# Altium PCB 第十三届电磁PCB.PcbDoc (part 1 of 2)
Units mil, origin at the board's own origin, x right, y up, seen from the top; angles counter-clockwise.
Board outline 3925 x 2095 mil, 2 copper layers (Top Layer, Bottom Layer); 144 components, 101 nets, 511 pads, 324 vias.
Unrouted connection lines stored in the file: 143.
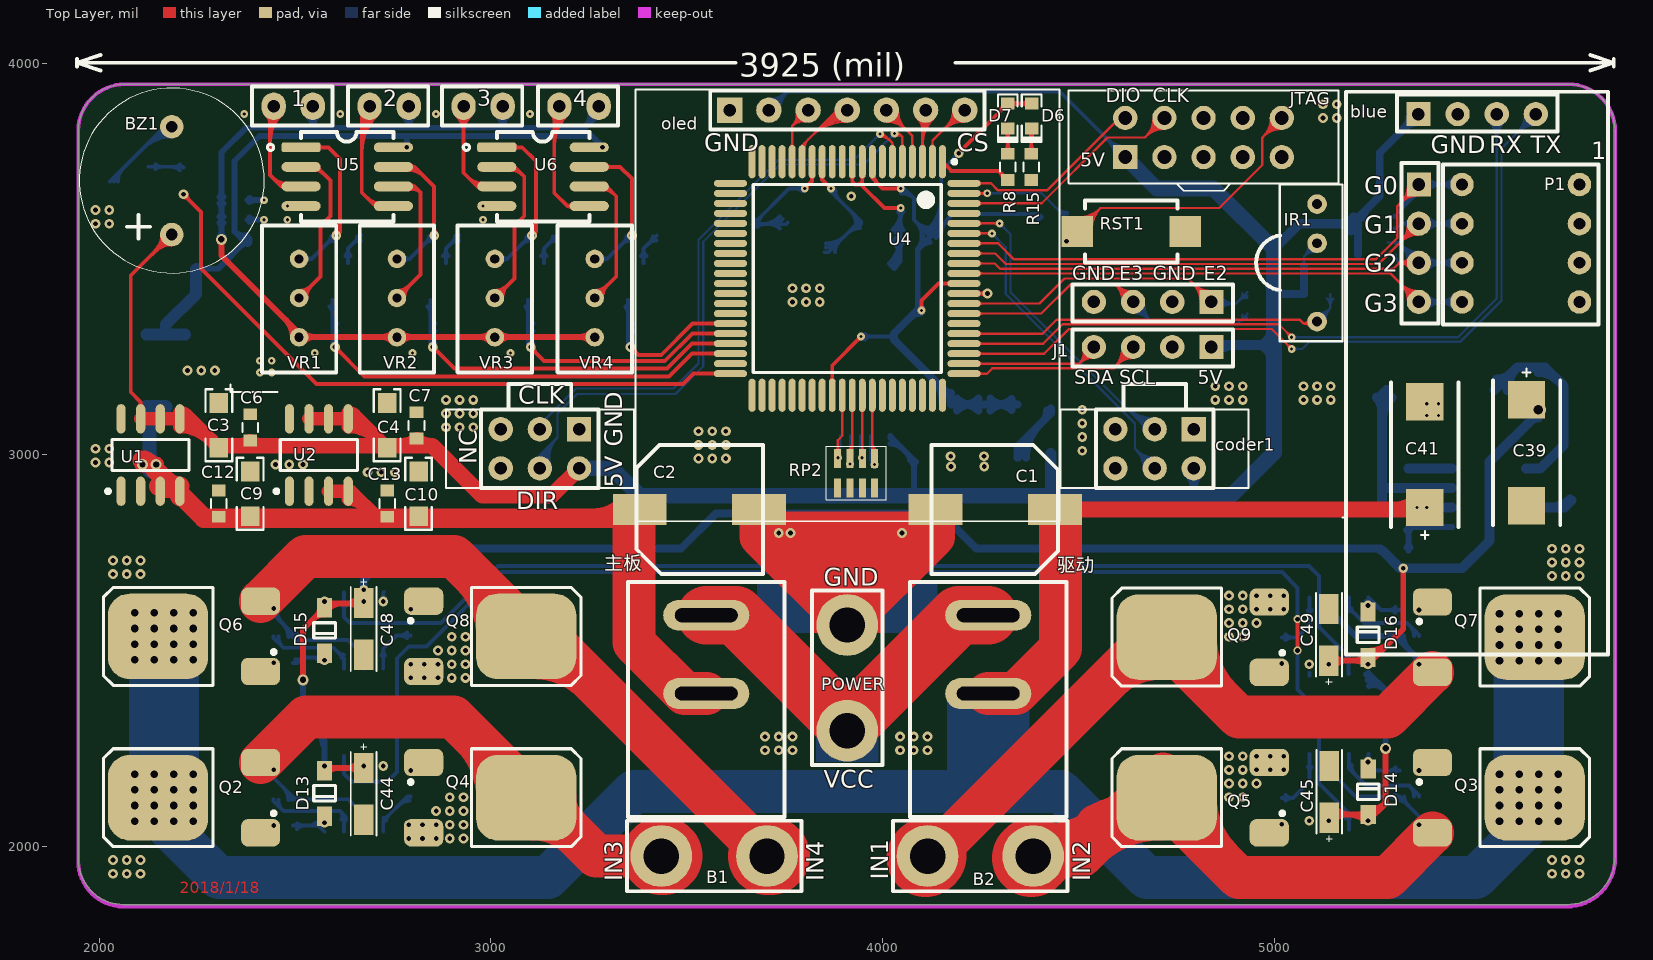
[diagram p0: Top Layer view]
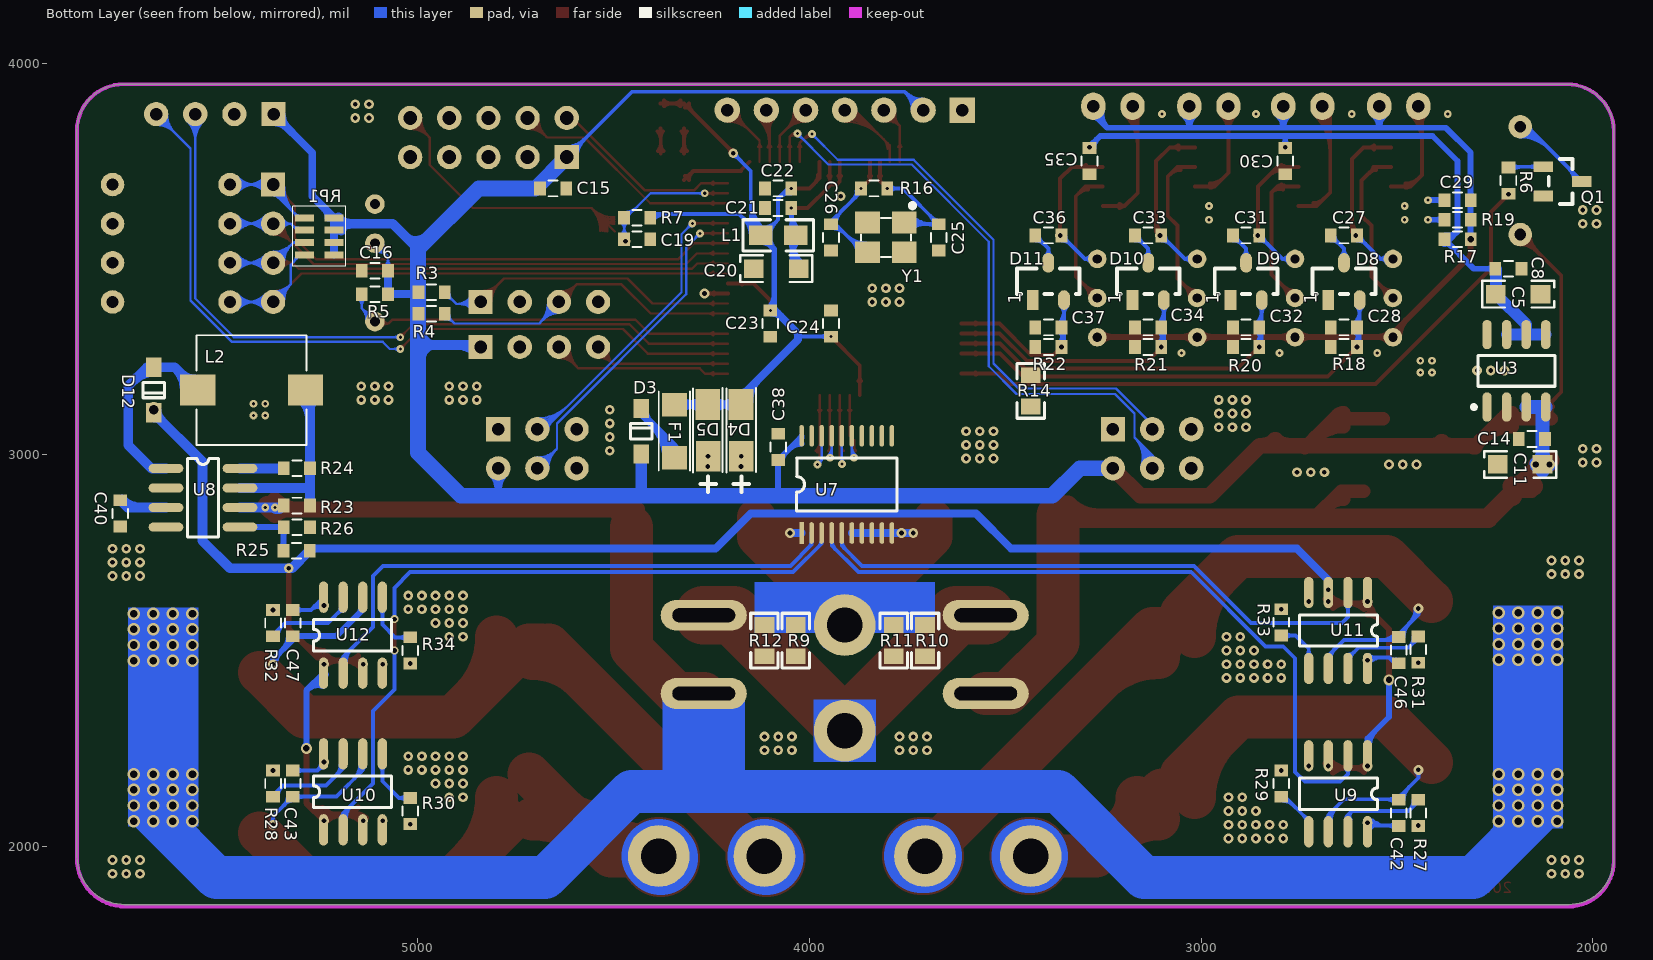
[diagram p1: Bottom Layer view, seen from below]

## Layer stack, top to bottom
Top Solder: solder mask 0.4, Solder Resist, Dk 3.5
Top Layer: signal copper 1.4
Dielectric1: dielectric 12.6, FR-4, Dk 4.8
Bottom Layer: signal copper 1.4
Bottom Solder: solder mask 0.4, Solder Resist, Dk 3.5

## Board outline
1946,1966.56 ccw(c2061.56,1966.56) 2061.56,1851 5748.38,1851 ccw(c5748.38,1973.62) 5871,1973.62 5871,3827.72 ccw(c5752.72,3827.72) 5752.72,3946 2064.76,3946 ccw(c2064.76,3827.24) 1946,3827.24

## Design rules (kind name [scope] priority, off if disabled: settings)
Clearance Clearance_P_Polygon [(InNamedPolygon('Top Layer-PGND') OR InNamedPolygon('Bottom Layer-PGND'))] p1: gap=15
Clearance Clearance_M_Polygon [InPolygon] p2: gap=8
Clearance [All] p3: gap=6
ComponentClearance [All] p1: gap=0 collisioncheckmode=3 verticalgap=0 showdistances=FALSE
PlaneConnect [All] p1: planeconnectstyle=Direct reliefexpansion=20 reliefentries=4 reliefconductorwidth=10 reliefairgap=10
PolygonConnect [All] p1: connectstyle=Direct reliefconductorwidth=10 reliefentries=4 polygonreliefangle="90 Angle" airgapwidth=10
RoutingVias [All] p1: holewidth=16 width=28 viastyle="Through Hole" minholewidth=12 minwidth=20 maxholewidth=28 maxwidth=35
SilkToSolderMaskClearance SilkscreenOverComponentPads [IsPad] p1: minsilkscreentomaskgap=10 clearancetoexposedcopper=TRUE
SolderMaskExpansion [All] p1: expansion=4
Width Width_5V [(InNet('5V') AND InNet('X5V'))] p1: maxlimit=50 minlimit=10 preferedwidth=35
Width [All] p2: maxlimit=200 minlimit=6 preferedwidth=6
26 further rules are at their usual default settings.

## Classes and differential pairs
component class 第十三届电磁Sheet: B1 B2 BZ1 C1 C2 C3 C4 C5 C6 C7 C8 C9 C10 C11 C12 C13 C14 C15 C16 C19 C20 C21 C22 C23 C24 C25 C26 C27 C28 C29 C30 C31 C32 C33 C34 C35 C36 C37 C38 C39 C40 C41 C42 C43 C44 C45 C46 C47 C48 C49 D3 D4 D5 D6 D7 D8 D9 D10 D11 D12 D13 D14 D15 D16 F1 IR1 J1 L1 L2 P1 POWER Q1 Q2 Q3 Q4 Q5 Q6 Q7 Q8 Q9 R3 R4 R5 R6 R7 R8 R9 R10 R11 R12 R14 R15 R16 R17 R18 R19 R20 R21 R22 R23 R24 R25 R26 R27 R28 R29 R30 R31 R32 R33 R34 RP1 RP2 RST1 U1 U2 U3 U4 U5 U6 U7 U8 U9 U10 U11 U12 VR1 VR2 VR3 VR4 Y1 主板 驱动

## Components (designator, comment, footprint, x,y, rotation, side; value= is the part's Value field where it differs from the comment)
B1 "Motor" KF301-2P 3570,1975 r270 top
B2 "Motor" KF301-2P 4250,1975 r90 top
blue "CON4" BLUETOOTH 5518.71,3870 r0 top (schematic designator Z-blue1)
BZ1 "BUZZ" BUZZ 2185,3700 r90 top
C1 "220uF" 铝电解电容10*10.2 4450,2860 r180 top
C2 "220uF" 铝电解电容10*10.2 3370,2860 r0 top
C3 "10uF" 3216 2305,3075 r90 top
C4 "10uF" 3216 2735,3075 r90 top
C5 "10uF" 3216 2190,3410 r180 bottom
C6 "100nF" 0603(1608) 2385,3070 r270 top
C7 "100nF" 0603(1608) 2810,3075 r270 top
C8 "100nF" 0603(1608) 2215,3475 r0 bottom
C9 "10uF" 3216 2385,2900 r90 top
C10 "10uF" 3216 2815,2900 r90 top
C11 "10uF" 3216 2185,2975 r0 bottom
C12 "100nF" 0603(1608) 2305,2875 r90 top
C13 "100nF" 0603(1608) 2735,2875 r270 top
C14 "100nF" 0603(1608) 2155,3040 r0 bottom
C15 "100nF" 0603(1608) 4655,3680 r0 bottom
C16 "100nF" 0603(1608) 5110,3470 r180 bottom
C19 "100nF" 0603(1608) 4440,3550 r180 bottom
C20 "10uF" 3216 4085,3475 r0 bottom
C21 "1nF" 0603(1608) 4080,3630 r180 bottom
C22 "100nF" 0603(1608) 4080,3680 r180 bottom
C23 "100nF" 0603(1608) 4100,3335 r90 bottom
C24 "100nF" 0603(1608) 3945,3335 r270 bottom
C25 "12pF" 0603(1608) 3670,3555 r90 bottom
C26 "12pF" 0603(1608) 3945,3555 r90 bottom
C27 "100nF" 0603(1608) 2635,3560 r180 bottom
C28 "100nF" 0603(1608) 2635,3325 r180 bottom
C29 "100nF" 0603(1608) 2345,3650 r0 bottom
C30 "100nF" 0603(1608) 2785,3750 r90 bottom
C31 "100nF" 0603(1608) 2885,3560 r180 bottom
C32 "100nF" 0603(1608) 2885,3325 r180 bottom
C33 "100nF" 0603(1608) 3135,3560 r180 bottom
C34 "100nF" 0603(1608) 3135,3325 r180 bottom
C35 "100nF" 0603(1608) 3285,3750 r90 bottom
C36 "100nF" 0603(1608) 3390,3560 r180 bottom
C37 "100nF" 0603(1608) 3390,3325 r180 bottom
C38 "100nF" 0603(1608) 4080,3020 r270 bottom
C39 "100uF" TAN-D7343 5645,3005 r270 top
C40 "470pF" 0603(1608) 5760,2850 r270 bottom
C41 "100uF" TAN-D7343 5385,3000 r90 top
C42 "1.5uF" 0603(1608) 2495,2085 r90 bottom
C43 "1.5uF" 0603(1608) 5320,2160 r270 bottom
C44 "10uF" Tan-A3216 2675,2134 r270 top
C45 "10uF" Tan-A3216 5141,2139 r90 top
C46 "1.5uF" 0603(1608) 2495,2501 r90 bottom
C47 "1.5uF" 0603(1608) 5320,2570 r270 bottom
C48 "10uF" Tan-A3216 2675,2555 r270 top
C49 "10uF" Tan-A3216 5140,2540 r90 top
coder1 "ENCODER" ENCODER 4795,3065 r270 top (schematic designator P-coder1)
D3 "IN5819" LC-SOD-123 4430,3060 r90 bottom
D4 "ZM4733" 稳压管 4174,3060 r90 bottom
D5 "ZM4733" 稳压管 4259,3060 r90 bottom
D6 "LED" 0603LED 4381,3865 r270 top
D7 "LED" 0603LED 4320,3865 r270 top
D8 "BAT54S" SOT23 2675,3395 r180 bottom
D9 "BAT54S" SOT23 2925,3395 r180 bottom
D10 "BAT54S" SOT23 3175,3395 r180 bottom
D11 "BAT54S" SOT23 3430,3395 r180 bottom
D12 "IN5819" LC-SOD-123 5675,3165 r270 bottom
D13 "IN5819" LC-SOD-123 2575,2135 r270 top
D14 "IN5819" LC-SOD-123 5241,2139 r90 top
D15 "IN5819" LC-SOD-123 2575,2551 r270 top
D16 "IN5819" LC-SOD-123 5240,2540 r90 top
F1 "350mA" FUSE-1206 4345,3060 r90 bottom
IR1 "IR" HS0038 5110,3640 r270 top
J1 "CON4" CON4-1 4840,3275 r180 top
J2 "CON2" CON2 2445,3890 r0 top
J3 "CON2" CON2 2690,3890 r0 top
J4 "CON2" CON2 2930,3890 r0 top
J5 "CON2" CON2 3175,3890 r0 top
J_debug1 "CON4" CON4-1 5370,3690 r270 top
JTAG "JTAG" IDC5X2 4820,3810 r0 top (schematic designator JTAG1)
L1 "1000ohm" "0805 - duplicate" 4080,3560 r0 bottom
L2 "330uH" 贴片电感7*7*4 5425,3165 r0 bottom
oled "CON7" CON7_OLED 3910,3880 r0 top (schematic designator Z-oled1)
P1 "侧拨4P" 侧拨4P 5780,3290 r180 top
P-coder2 "ENCODER" ENCODER 3225,3065 r270 top
POWER "电源接口" KF301-2P 3910,2430 r180 top
Q1 "NPNS9013" LC-SOT-23(SOT-23-3) 2055,3700 r180 bottom
Q2 "IR7843" LR7843 2270,2124 r0 top
Q3 "IR7843" LR7843 5546,2124 r180 top
Q4 "IR7843" "LR7843 - no via" 2970,2124 r180 top
Q5 "IR7843" "LR7843 - no via" 4846,2124 r0 top
Q6 "IR7843" LR7843 2270,2536 r0 top
Q7 "IR7843" LR7843 5546,2534 r180 top
Q8 "IR7843" "LR7843 - no via" 2970,2536 r180 top
Q9 "IR7843" "LR7843 - no via" 4846,2534 r0 top
R3 "3.3K" 0603(1608) 4965,3415 r0 bottom
R4 "3.3K" 0603(1608) 4965,3360 r0 bottom
R5 "10K" 0603(1608) 5110,3410 r180 bottom
R6 "1K" 0603(1608) 2215,3700 r270 bottom
R7 "4.7K" 0603(1608) 4440,3605 r0 bottom
R8 "10K" 0603(1608) 4380,3735 r270 top
R9 "0R" 0805(2012) 4035,2525 r90 bottom
R10 "0R" 0805(2012) 3705,2525 r90 bottom
R11 "0R" 0805(2012) 3785,2525 r90 bottom
R12 "0R" 0805(2012) 4115,2525 r90 bottom
R14 "0R" 0805(2012) 3435,3163 r270 bottom
R15 "10K" 0603(1608) 4320,3735 r270 top
R16 "1M" 0603(1608) 3835,3680 r0 bottom
R17 "10k" 0603(1608) 2345,3550 r0 bottom
R18 "100k" 0603(1608) 2635,3275 r180 bottom
R19 "10k" 0603(1608) 2345,3600 r180 bottom
R20 "100k" 0603(1608) 2885,3275 r180 bottom
R21 "100k" 0603(1608) 3135,3275 r180 bottom
R22 "100k" 0603(1608) 3390,3275 r180 bottom
R23 "0.22R" 0603(1608) 5309,2870 r0 bottom
R24 "180R" 0603(1608) 5309,2965 r180 bottom
R25 "10K" 0603(1608) 5310,2755 r0 bottom
R26 "1K" 0603(1608) 5309,2815 r0 bottom
R27 "10R" 0603(1608) 2445,2085 r270 bottom
R28 "10R" 0603(1608) 5370,2160 r90 bottom
R29 "10R" 0603(1608) 2795,2160 r90 bottom
R30 "10R" 0603(1608) 5020,2090 r270 bottom
R31 "10R" 0603(1608) 2445,2502 r270 bottom
R32 "10R" 0603(1608) 5370,2570 r90 bottom
R33 "10R" 0603(1608) 2795,2572 r90 bottom
R34 "10R" 0603(1608) 5020,2500 r270 bottom
REED1 "CON4" CON4-1 4840,3390 r180 top
RP1 "10K" RA_8#1 5290,3605 r180 bottom
RP2 "10K" RA_8#2 3980,2915 r90 top
RST1 "SW-PB" SMT_BUTTON 4635,3570 r0 top
U1 "TPS7350" SOIC-8 2130,3000 r90 top
U2 "TPS7350" SOIC-8 2560,3000 r90 top
U3 "TPS7350" SOIC-8 2195,3215 r90 bottom
U4 "KEA128" LQFP-80M 3910,3450 r270 top
U5 "opa2350" SO8 2515,3785 r0 top
U6 "opa2350" SO8 3015,3785 r0 top
U7 "74LVC245" "74LVC245 TSSOP" 4020,2800 r90 bottom
U8 "MC34063" MC34063 5549,2890 r180 bottom
U9 "IR2104S" IR2104 2650,2134 r270 bottom
U10 "IR2104S" IR2104 5166,2139 r90 bottom
U11 "IR2104S" IR2104 2650,2551 r270 bottom
U12 "IR2104S" IR2104 5166,2539 r90 bottom
VR1 "500K" 电位器 2510,3500 r270 top
VR2 "500K" 电位器 2760,3500 r270 top
VR3 "500K" 电位器 3010,3500 r270 top
VR4 "500K" 电位器 3265,3500 r270 top
Y1 "CRYSTAL" LC-SMD-3225_4P 3805,3555 r0 bottom
主板 "主板开关" 船型开关-small 3550,2300 r0 top (schematic designator 主板开关1)
驱动 "驱动开关" 船型开关-small 4270,2300 r0 top (schematic designator 驱动开关1)

## Footprints (in the part's own frame and the unit in brackets; to place one, negate y for a bottom-side part, rotate by r counter-clockwise, add the part's x,y. Pads: shape width x height; smd on the part's side, far side on the other; paste and mask are expansions set on the pad)
"74LVC245 TSSOP" [mm]
  rect 1.4x0.3 smd: 1(0,0)
  oval 1.4x0.3 smd: 2(0,-0.65) 3(0,-1.3) 4(0,-1.95) 5(0,-2.6) 6(0,-3.25) 7(0,-3.9) 8(0,-4.55) 9(0,-5.2) 10(0,-5.85) 11(6.3,-5.85) 12(6.3,-5.2) 13(6.3,-4.55) 14(6.3,-3.9) 15(6.3,-3.25) 16(6.3,-2.6) 17(6.3,-1.95) 18(6.3,-1.3) 19(6.3,-0.65) 20(6.3,0)
  silkscreen extent 1.43,-6.17 4.87,0.33
0603(1608) [mil]
  rect 30x35 smd: 1(-33.5,0) 2(33.5,0)
  silkscreen extent -12,-20 12,20
0603LED [mil]
  rect 30x35 smd: 1(-32,0) 2(32,0)
  silkscreen extent -55,-25 66,25
"0805 - duplicate" [mil]
  rect 60x50 smd: 1(-45,0) 2(45,0)
  silkscreen extent -90,-40 90,40
0805(2012) [mil]
  rect 40x50 smd: 1(-40,0) 2(40,0)
  silkscreen extent -70,-35 70,35
3216 [mil]
  rect 50x47.24 smd: 1(-57,0) 2(57,0)
  silkscreen extent -92,-34 92,34
BLUETOOTH [mil]
  rect 62x62 hole 32: 1(-150,0)
  round 62 hole 32: 2(-50,0) 3(50,0) 4(150,0)
  silkscreen extent -335,-1380 334,57
BUZZ [mil]
  round 60 hole 30: 1(-137.8,0) 2(137.8,0)
  silkscreen extent -236,-236 236,236
CON2 [mil]
  oval 62x70 hole 32: 1(0,0) 2(100,0)
  silkscreen extent -55,-49 150,50
CON4-1 [mil]
  rect 62x62 hole 32: 1(0,0)
  round 62 hole 32: 2(100,0) 3(200,0) 4(300,0)
  silkscreen extent -55,-45 355,50
CON7_OLED [mil]
  rect 65x65 hole 32: 1(-300,0)
  round 65 hole 32: 2(-200,0) 3(-100,0) 4(0,0) 5(100,0) 6(200,0) 7(300,0)
  silkscreen extent -541,-1050 542,53
ENCODER [mil]
  rect 62x62 hole 32: 1(0,0)
  round 62 hole 32: 2(0,-100) 3(0,-200) 4(100,-200) 5(100,-100) 6(100,0)
  silkscreen extent -115,-340 150,140
FUSE-1206 [mm]
  rect 1.52x1.6 smd: 1(-1.727,0) 2(1.727,0)
  silkscreen extent -2.57,-1.02 2.59,1.02
HS0038 [mil]
  round 50 hole 25: 1(0,0) 2(100,0) 3(300,0)
  silkscreen extent -50,-156 350,65
IDC5X2 [mil]
  rect 62x62 hole 35: 1(-200,-50)
  round 62 hole 35: 2(-100,-50) 3(0,-50) 4(100,-50) 5(200,-50) 6(200,50) 7(100,50) 8(0,50) 9(-100,50) 10(-200,50)
  silkscreen extent -345,-136 345,120
IR2104 [mil]
  oval 80x23.62 smd: 1(-97,75) 2(-97,25) 3(-97,-25) 4(-97,-75) 5(97,-75) 6(97,-25) 7(97,25) 8(97,75)
  silkscreen extent -40,-98 40,100
KF301-2P [mm]
  round 4 hole 2.3 paste+0: 1(0,-3.429)
  round 4 hole 2.3: 2(0,3.429)
  silkscreen extent -2.29,-5.66 2.29,5.66
LC-SMD-3225_4P [mil]
  rect 62.99x55.12 smd: 1(-47,-38) 2(47,-38) 3(47,38) 4(-47,38)
  silkscreen extent -74,-87 64,50, body extent -63,-49 63,49, height 24
LC-SOD-123 [mm]
  rect 1.25x1 smd: 1(-1.475,0) 2(1.475,0)
  silkscreen extent -0.5,-0.7 0.5,0.7, body extent -1.85,-0.78 1.85,0.77, height 1.35
LC-SOT-23(SOT-23-3) [mm]
  rect 1.25x0.7 smd: 1(-1.8,0.9) 2(-1.8,-1) 3(0.7,-0.05)
  silkscreen extent -1.45,-1.51 0.1,1.41, body extent -2.05,-1.55 0.95,1.45, height 1.3
LQFP-80M [mm]
  oval 2.15x0.45 smd: 1(-7.575,6.175) 2(-7.575,5.525) 3(-7.575,4.875) 4(-7.575,4.225) 5(-7.575,3.575) 6(-7.575,2.925) 7(-7.575,2.275) 8(-7.575,1.625) 9(-7.575,0.975) 10(-7.575,0.325) 11(-7.575,-0.325) 12(-7.575,-0.975) 13(-7.575,-1.625) 14(-7.575,-2.275) 15(-7.575,-2.925) 16(-7.575,-3.575) 17(-7.575,-4.225) 18(-7.575,-4.875) 19(-7.575,-5.525) 20(-7.575,-6.175) 41(7.575,-6.175) 42(7.575,-5.525) 43(7.575,-4.875) 44(7.575,-4.225) 45(7.575,-3.575) 46(7.575,-2.925) 47(7.575,-2.275) 48(7.575,-1.625) 49(7.575,-0.975) 50(7.575,-0.325) 51(7.575,0.325) 52(7.575,0.975) 53(7.575,1.625) 54(7.575,2.275) 55(7.575,2.925) 56(7.575,3.575) 57(7.575,4.225) 58(7.575,4.875) 59(7.575,5.525) 60(7.575,6.175)
  oval 0.45x2.15 smd: 21(-6.175,-7.575) 22(-5.525,-7.575) 23(-4.875,-7.575) 24(-4.225,-7.575) 25(-3.575,-7.575) 26(-2.925,-7.575) 27(-2.275,-7.575) 28(-1.625,-7.575) 29(-0.975,-7.575) 30(-0.325,-7.575) 31(0.325,-7.575) 32(0.975,-7.575) 33(1.625,-7.575) 34(2.275,-7.575) 35(2.925,-7.575) 36(3.575,-7.575) 37(4.225,-7.575) 38(4.875,-7.575) 39(5.525,-7.575) 40(6.175,-7.575) 61(6.175,7.575) 62(5.525,7.575) 63(4.875,7.575) 64(4.225,7.575) 65(3.575,7.575) 66(2.925,7.575) 67(2.275,7.575) 68(1.625,7.575) 69(0.975,7.575) 70(0.325,7.575) 71(-0.325,7.575) 72(-0.975,7.575) 73(-1.625,7.575) 74(-2.275,7.575) 75(-2.925,7.575) 76(-3.575,7.575) 77(-4.225,7.575) 78(-4.875,7.575) 79(-5.525,7.575) 80(-6.175,7.575)
  silkscreen extent -7.7,-6.1 6.1,7.07, body extent -7,-7 7,7, height 1.4
LR7843 [mm]
  rrect50% 2.54x1.778 smd: 1(3.6,-2.28) 3(3.6,2.28)
  rrect50% 6.5x5.55 smd: 2(-3.048,0)
  silkscreen extent -6.6,-3.17 4.57,3.17
"LR7843 - no via" [mm]
  rrect50% 2.54x1.778 smd: 1(3.6,-2.28) 3(3.6,2.28)
  rrect50% 6.5x5.55 smd: 2(-3.048,0)
  silkscreen extent -6.6,-3.18 4.57,3.17
MC34063 [mm]
  oval 2.25x0.6 smd: 1(-2.4,1.905) 2(-2.4,0.635) 3(-2.4,-0.635) 4(-2.4,-1.905) 5(2.4,-1.905) 6(2.4,-0.635) 7(2.4,0.635) 8(2.4,1.905)
  silkscreen extent -1.02,-2.55 1.02,2.55
RA_8#1 [mm]
  rect 1.22x0.45 smd: 1(0,0) 2(1.92,0) 3(0,-0.8) 4(1.92,-0.8) 5(0,-1.6) 6(1.92,-1.6) 7(0,-2.4) 8(1.92,-2.4)
  silkscreen extent -0.76,-3.15 2.69,0.75
RA_8#2 [mm]
  rect 1.22x0.45 smd: 1(0,0) 2(1.92,0) 3(0,0.8) 4(1.92,0.8) 5(0,1.6) 6(1.92,1.6) 7(0,2.4) 8(1.92,2.4)
  silkscreen extent -0.76,-0.75 2.69,3.15
SMT_BUTTON [mil]
  rect 80x80 smd: 1(-137.8,0) 2(137.8,0)
  silkscreen extent -118,-79 118,79
SO8 [mil]
  rrect50% 100x25 smd: 1(0,0)
  oval 100x25 smd: 2(0,-50) 3(0,-100) 4(0,-150) 5(235.98,-150) 6(235.98,-100) 7(235.98,-50) 8(235.98,0)
  silkscreen extent -86,-189 236,39
SOIC-8 [mm]
  oval 1.9x0.6 smd: 1(-2.37,1.895) 2(-2.37,0.625) 3(-2.37,-0.645) 4(-2.37,-1.915) 5(2.33,-1.915) 6(2.33,-0.645) 7(2.33,0.625) 8(2.33,1.895)
  silkscreen extent -2.49,-2.51 0.98,2.87, body extent -2.02,-2.51 1.98,2.49, height 1.75
SOT23 [mil]
  rect 30x50 smd: 1(0,0)
  oval 30x50 smd: 2(80,0) 3(40,95)
  silkscreen extent -40,15 120,80
Tan-A3216 [mil]
  rect 77.36x50 smd: 1(-66,0) 2(66,0)
  silkscreen extent -128,-33 107,33
TAN-D7343 [mm]
  rect 2.425x2.41 smd: 1(-3.429,0) 2(3.429,0)
  silkscreen extent -5.46,-2.18 4.7,2.18
侧拨4P [mil]
  round 60 hole 30: 1(0,-100) 2(0,-200) 3(0,-300) 4(0,-400) 5(300,-400) 6(300,-300) 7(300,-200) 8(300,-100)
  silkscreen extent -49,-451 349,-43
电位器 [mm]
  round 1.2 hole 0.6: 1(0,0) 2(2.54,0) 3(5.08,0)
  silkscreen extent -2.16,-2.41 7.37,2.41
稳压管 [mm]
  rect 2x1.6 smd: 1(-1.626,0) 2(1.727,0.025)
  silkscreen extent -3.94,-0.94 2.79,0.97
船型开关-small [mil]
  oval 220x78.74 hole 35 slot 160 at 0 deg: 1(0,290) 2(0,90)
  silkscreen extent -200,-225 200,375
贴片电感7*7*4 [mm]
  rect 2.3x2 smd: 1(-3.5,0) 2(3.5,0)
  silkscreen extent -3.56,-3.56 3.56,3.56
铝电解电容10*10.2 [mm]
  rect 3.5x2 smd: 1(0.254,0) 2(8.001,0)
  silkscreen extent 0.04,-4.19 8.25,4.19

## Part data
B1 B2: library part "Motor Servo"
C27 C28 C29 C31 C32 C33 C34 C36 C37: library part "Cap Semi", "Capacitor ("
C38 C40 C42 C43 C46 C47: library part Cap
C39 C41 C44 C45 C48 C49: library part "Cap Pol1", "Polarized Capa"
D3 D4 D5 D12 D13 D14 D15 D16: library part Diode
Q2 Q3 Q4 Q5 Q6 Q7 Q8 Q9: library part NMOS-2, "N-Channe"
R23 R24 R25 R26 R27 R28 R29 R30 R31 R32 R33 R34: library part Res2
RP2: library part "Header 4X2", "Header, 4"

## Via types
v1: diameter 25, hole 12, Top Layer to Bottom Layer, 212 vias
v2: diameter 31.5, hole 19.68, Top Layer to Bottom Layer, 64 vias
v3: diameter 20, hole 8, Top Layer to Bottom Layer, 40 vias
v4: diameter 28, hole 16, Top Layer to Bottom Layer, 5 vias
v5: diameter 20, hole 12, Top Layer to Bottom Layer, 2 vias
v6: diameter 40, hole 24, Top Layer to Bottom Layer, 1 vias

## Nets (pads, with @x,y where several pads share a name; then routed paths per layer and width w, separated by ;. In a path a pad name is that pad's centre, name@x,y a point inside that pad or via, vN(x,y) a via of type N, cw(c..) or ccw(c..) an arc to the next point about the centre after c; other vN are vias at no path point)
2.5V: C29.1 J2.2 J3.2 J4.2 J5.2 R17.1 R19.2 VR1.3 VR2.3 VR3.3 VR4.3 | length 3428.6
  Top Layer w15: v4@2306.9,3545.4 cw(c2295.81,3534.31) 2311.5,3534.31 cw(c2327.19,3534.31) v4@2316.1,3545.4 ; v4(2311.5,3550) 2311.5,3508.5 2510,3310 VR1.3@2510,3300 2511,3301 3264,3301 VR4.3@3265,3300 ; 2475.41,3344.59 cw(c2430.81,3300) VR1.3@2493.88,3300 ; VR1.3@2521.4,3288.6 cw(c2551.34,3258.66) 2551.34,3301 ; VR1.3@2521.4,3311.4 ccw(c2546.51,3336.51) 2546.51,3301 ; 2718.66,3301 cw(c2718.66,3258.66) VR2.3@2748.6,3288.6 ; 2723.49,3301 ccw(c2723.49,3336.51) VR2.3@2748.6,3311.4 ; VR2.3@2771.4,3288.6 cw(c2801.34,3258.66) 2801.34,3301 ; VR2.3@2771.4,3311.4 ccw(c2796.51,3336.51) 2796.51,3301 ; 2968.66,3301 cw(c2968.66,3258.66) VR3.3@2998.6,3288.6 ; 2973.49,3301 ccw(c2973.49,3336.51) VR3.3@2998.6,3311.4 ; VR3.3@3021.4,3288.6 cw(c3051.34,3258.66) 3051.34,3301 ; VR3.3@3021.4,3311.4 ccw(c3046.51,3336.51) 3046.51,3301 ; 3223.66,3301 cw(c3223.66,3258.66) VR4.3@3253.6,3288.6 ; 3228.49,3301 ccw(c3228.49,3336.51) VR4.3@3253.6,3311.4
  Bottom Layer w15: R17.1@2306.2,3557.8 ccw(c2293.39,3570.61) 2311.5,3570.61 ccw(c2329.61,3570.61) R17.1@2316.8,3557.8 ; R19.2@2306.2,3592.2 cw(c2293.39,3579.39) 2311.5,3579.39 cw(c2329.61,3579.39) R19.2@2316.8,3592.2 ; R19.2@2306.2,3607.8 ccw(c2293.39,3620.61) 2311.5,3620.61 ccw(c2329.61,3620.61) R19.2@2316.8,3607.8 ; C29.1@2306.2,3642.2 cw(c2293.39,3629.39) 2311.5,3629.39 cw(c2329.61,3629.39) C29.1@2316.8,3642.2 ; C29.1@2306.2,3657.8 ccw(c2293.39,3670.61) 2311.5,3670.61 ccw(c2329.61,3670.61) C29.1@2316.8,3657.8 ; R17.1@2306.9,3554.6 ccw(c2295.81,3565.69) 2311.5,3565.69 ccw(c2327.19,3565.69) R17.1@2316.1,3554.6 ; v4(2311.5,3550) R19.2@2311.5,3600 C29.1@2311.5,3650 2311.5,3771.5 2375,3835 2545,3835 ; J2.2@2529.73,3868.14 cw(c2501.41,3835) 2545,3835 ; J2.2@2545,3890 2545,3835 ; J2.2@2560.27,3868.14 ccw(c2588.59,3835) 2545,3835 ; J3.2@2774.73,3868.14 cw(c2746.41,3835) 2790,3835 ; J3.2@2790,3890 2790,3835 ; J3.2@2805.27,3868.14 ccw(c2833.59,3835) 2790,3835 ; J4.2@3014.73,3868.14 cw(c2986.41,3835) 3030,3835 ; J4.2@3030,3890 3030,3835 ; J4.2@3045.27,3868.14 ccw(c3073.59,3835) 3030,3835 ; J5.2@3252.26,3880.08 cw(c3206.76,3868.25) 3240,3835 ; 3258.53,3853.53 ccw(c3236.16,3875.9) J5.2@3266.77,3883.86 ; 3262.2,3857.2 cw(c3275,3844.39) J5.2@3275,3862.5 ; J5.2@3275,3890 3275,3870 3240,3835 ; 2545,3835 2790,3835 ; 2790,3835 3030,3835 ; 3030,3835 3240,3835
5V: blue.1 BZ1.1 C3.1 C4.1 C6.2 C7.2 C15.2 C16.2 C38.2 coder1.6 D3.1 IR1.2 J1.1 JTAG.1 oled.2 P-coder2.6 R3.2 R4.2 R5.2 RP1.2 RP1.4 RP1.6 RP1.8 U1.5 U1.6 U1.7 U2.5 U2.6 U2.7 U7.20 | length 8939.3
  Top Layer w10: U1.7@2100.58,3122.14 ccw(c2088.95,3133.77) 2105.39,3133.77 ccw(c2121.84,3133.77) U1.7@2110.21,3122.14 ; U1.7@2105.39,3091.73 2105.39,3135 2080,3160.39 2080,3457.2 BZ1.1@2185,3562.2 ; BZ1.1@2160,3562.2 cw(c2099.64,3562.2) 2142.32,3519.53 cw(c2185,3476.85) BZ1.1@2185,3537.2 ; BZ1.1@2170,3562.2 cw(c2133.79,3562.2) 2159.39,3536.6 cw(c2185,3510.99) BZ1.1@2185,3547.2
  Top Layer w35: U1.7@2105.39,3091.73 U1.6@2155.39,3091.73 U1.5@2205.39,3091.73 2231.27,3091.73 C3.1@2305,3018 ; U1.5@2205.39,3071.83 cw(c2205.39,2961.32) C3.1@2283.54,3039.46 ; U1.5@2205.39,3106.83 cw(c2205.39,3080.82) 2223.79,3099.21 ; C3.1@2281.6,3040.58 cw(c2262.84,3008.08) C3.1@2299.09,3017.79 ; U2.7@2535.39,3091.73 U2.6@2585.39,3091.73 U2.5@2635.39,3091.73 2661.27,3091.73 2730,3023 C4.1@2735,3018 ; U2.5@2635.39,3071.83 cw(c2635.39,2961.32) C4.1@2713.54,3039.46 ; U2.5@2635.39,3106.83 cw(c2635.39,3080.82) 2653.79,3099.21
  Top Layer w40: C3.1@2305,3023 2730,3023 2850,3023 2978,2895 3155,2895 P-coder2.6@3225,2965 ; 2361.98,3023 ccw(c2361.98,3057.02) C6.2@2386.04,3032.96 ; C6.2@2383.96,3032.96 ccw(c2408.02,3057.02) 2408.02,3023 ; 2774.91,3023 ccw(c2774.91,3074.09) C7.2@2811.04,3037.96 ; C7.2@2808.96,3037.96 ccw(c2845.09,3074.09) 2845.09,3023
  Bottom Layer w6: C16.2@5068.01,3480.99 ccw(c5047.53,3501.47) 5076.5,3501.47 ccw(c5105.47,3501.47) C16.2@5084.99,3480.99 ; C16.2@5076.5,3470 5076.5,3506.5 ; IR1.2@5088.08,3538.15 cw(c5048.21,3534.79) 5076.5,3506.5 ; IR1.2@5094.06,3538.66 cw(c5065.06,3536.21) 5085.64,3515.64 cw(c5106.21,3495.06) IR1.2@5108.66,3524.06 ; IR1.2@5108.15,3518.08 ccw(c5104.79,3478.21) 5076.5,3506.5 ; IR1.2@5110,3540 5076.5,3506.5
  Bottom Layer w10: oled.2@3710,3880 3757,3927 4453,3927 JTAG.1@4620,3760 ; oled.2@3710.97,3897.47 ccw(c3712.91,3932.45) 3737.68,3907.68 ccw(c3762.45,3882.91) oled.2@3727.47,3880.97 ; oled.2@3711.52,3907.46 ccw(c3714.57,3962.42) 3753.5,3923.5 ccw(c3792.42,3884.57) oled.2@3737.46,3881.52 ; JTAG.1@4594,3760 ccw(c4531.23,3760) 4575.62,3804.38 ccw(c4620,3848.77) JTAG.1@4620,3786 ; JTAG.1@4604,3760 ccw(c4565.37,3760) 4592.69,3787.31 ccw(c4620,3814.63) JTAG.1@4620,3776 ; 4949.91,3285.17 ccw(c4952.41,3317.67) 4985,3318 ; 4952,3275 cw(c4952.33,3242.41) 4984.83,3239.91 ; 4984.52,3561.45 ccw(c5005.84,3586.1) 5029.54,3563.73